# Altium PCB Copy of Testboard.PcbDoc (part 2 of 2)
Units mil, origin at the board's own origin, x right, y up, seen from the top; angles counter-clockwise.
Board outline 5500 x 5000 mil, 4 copper layers (Top layer, Inner Layer 1, Inner Layer 2, Bottom Layer), stack 13.956 mil thick; 137 components, 95 nets, 1379 pads, 400 vias.
Unrouted connection lines stored in the file: 562.
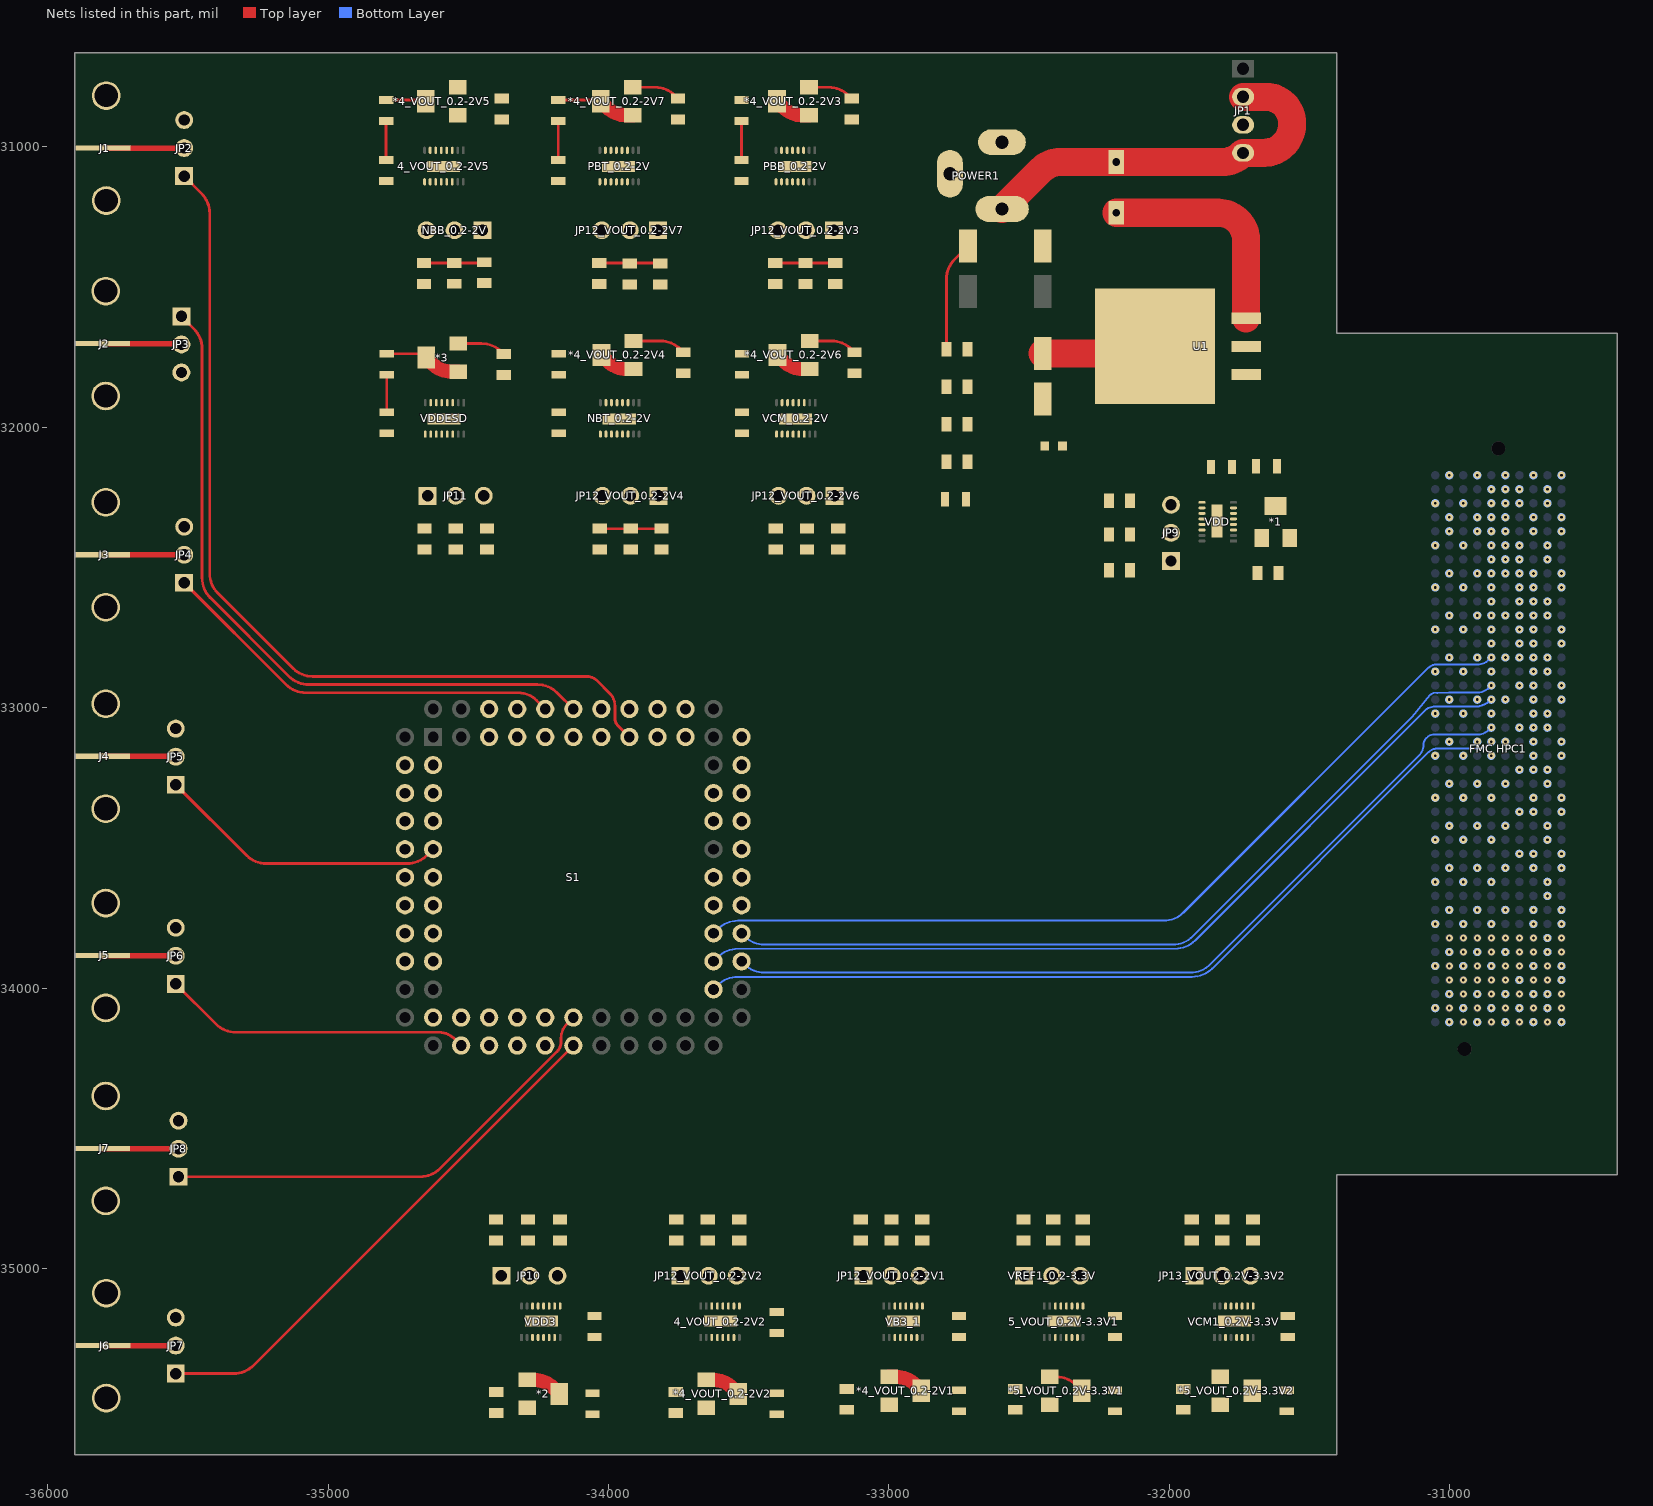
[diagram p2: the nets of this part, all layers, seen from the top]

## Part data
4_VOUT_0.2-2V2 4_VOUT_0.2-2V5 5_VOUT_0.2V-3.3V1 NBT_0.2-2V PBB_0.2-2V PBT_0.2-2V VB3_1 VCM1_0.2V-3.3V VCM_0.2-2V VDD VDD3 VDDESD: library part LT3022, "Linear Voltage Regulator IC Positive Adjustable 1 Output 1A 16-DFN (5x3)"
C1 C2 C45: library part CAP-10uF, "CAP ALUM 100UF 20% 10V SMD", ESR (Equivalent Series Resistance)=-, Lifetime @ Temp.="1000 Hrs @ 85°C", Manufacturer="Panasonic Electronic Components", Manufacturer Part Number=EEE-1AA101WR, Operating Temperature="-40°C ~ 85°C", Package / Case="Radial, Can - SMD", Ratings=AEC-Q200, Supplier Part Number 1=PCE3867CT-ND, Tolerance=±20%, Applications=Automotive, Category=Capacitors, ComponentLink1Description=https://industrial.panasonic.com/cdbs/www-data/pdf/RDE0000/ABA0000C1145.pdf, ComponentLink1URL=https://industrial.panasonic.com/cdbs/www-data/pdf/RDE0000/ABA0000C1145.pdf, Height - Seated (Max)="0.213\" (5.40mm)", Lead Spacing=-, Mounting Type="Surface Mount", Packaging="Cut Tape (CT)", Part Status=Active, Polarization=Polar, Pricing 1="1=0.31, 10=0.212, 100=0.1272, 500=0.09538 (USD)", RoHS="RoHS Compliant", Size / Dimension="0.197\" Dia (5.00mm)", Stock 1=89696, Supplier 1=Digi-Key, Surface Mount Land Size="0.209\" L x 0.209\" W (5.30mm x 5.30mm)"
C3 C6 C9 C12 C15 C18 C21 C24 C27 C30 C33 C36: library part "Cap 0.1uF", "Cap 0.1uF", Capacitance=10nF, Case Code (Imperial)=0805, Case Code (Metric)=2012, Dielectric Material=Ceramic, Manufacturer="Taiyo Yuden", Manufacturer Part Number=UMK212SD103KD-T, Max Operating Temperature=125°C, Min Operating Temperature=-55°C, Package Quantity=1, Supplier Part Number 1=587-1114-1-ND, Tolerance=10%, Voltage Rating=50V, Case/Package=0805, ComponentLink1Description=https://datasheet.ciiva.com/138/umk212sd103kd-t-ss-138661.pdf, ComponentLink1URL=https://datasheet.ciiva.com/138/umk212sd103kd-t-ss-138661.pdf, ComponentLink2Description=https://datasheet.ciiva.com/138/mlcc07-e-138662.pdf, ComponentLink2URL=https://datasheet.ciiva.com/138/mlcc07-e-138662.pdf, ComponentLink3Description=https://datasheet.ciiva.com/138/mlcc07-e-138663.pdf, ComponentLink3URL=https://datasheet.ciiva.com/138/mlcc07-e-138663.pdf, ComponentLink4Description=https://datasheet.ciiva.com/30140/303umk212sd103kd-t-30140925.pdf, ComponentLink4URL=https://datasheet.ciiva.com/30140/303umk212sd103kd-t-30140925.pdf, Depth=1.25mm, Halogen Free="Halogen Free", Height=0.85mm, Lead Free="Lead Free", Length=2mm, Mount="Surface Mount", Number of Pins=2, Packaging="Tape and Reel", Pricing 1="1=0.47, 10=0.323, 100=0.1941, 500=0.1455, 1000=0.1229 (USD)", Radiation Hardening=No, Stock 1=14125, Supplier 1=Digi-Key, Termination=SMD/SMT, Thickness=0.037inch, Voltage Rating (DC)=50V, Width=0.049inch
C4 C7 C10 C13 C16 C19 C22 C25 C28 C31 C34 C37: library part "Cap 1uF", "Cap 1uF", Capacitance=10nF, Case Code (Imperial)=0805, Case Code (Metric)=2012, Dielectric Material=Ceramic, Manufacturer="Taiyo Yuden", Manufacturer Part Number=UMK212SD103KD-T, Max Operating Temperature=125°C, Min Operating Temperature=-55°C, Package Quantity=1, Supplier Part Number 1=587-1114-1-ND, Tolerance=10%, Voltage Rating=50V, Case/Package=0805, ComponentLink1Description=https://datasheet.ciiva.com/138/umk212sd103kd-t-ss-138661.pdf, ComponentLink1URL=https://datasheet.ciiva.com/138/umk212sd103kd-t-ss-138661.pdf, ComponentLink2Description=https://datasheet.ciiva.com/138/mlcc07-e-138662.pdf, ComponentLink2URL=https://datasheet.ciiva.com/138/mlcc07-e-138662.pdf, ComponentLink3Description=https://datasheet.ciiva.com/138/mlcc07-e-138663.pdf, ComponentLink3URL=https://datasheet.ciiva.com/138/mlcc07-e-138663.pdf, ComponentLink4Description=https://datasheet.ciiva.com/30140/303umk212sd103kd-t-30140925.pdf, ComponentLink4URL=https://datasheet.ciiva.com/30140/303umk212sd103kd-t-30140925.pdf, Depth=1.25mm, Halogen Free="Halogen Free", Height=0.85mm, Lead Free="Lead Free", Length=2mm, Mount="Surface Mount", Number of Pins=2, Packaging="Tape and Reel", Pricing 1="1=0.47, 10=0.323, 100=0.1941, 500=0.1455, 1000=0.1229 (USD)", Radiation Hardening=No, Stock 1=14125, Supplier 1=Digi-Key, Termination=SMD/SMT, Thickness=0.037inch, Voltage Rating (DC)=50V, Width=0.049inch
C5 C8 C11 C14 C17 C20 C23 C26 C29 C32 C35 C38: library part "Cap 100pF", "Cap 100pF", Capacitance=10nF, Case Code (Imperial)=0805, Case Code (Metric)=2012, Dielectric Material=Ceramic, Manufacturer="Taiyo Yuden", Manufacturer Part Number=UMK212SD103KD-T, Max Operating Temperature=125°C, Min Operating Temperature=-55°C, Package Quantity=1, Supplier Part Number 1=587-1114-1-ND, Tolerance=10%, Voltage Rating=50V, Case/Package=0805, ComponentLink1Description=https://datasheet.ciiva.com/138/umk212sd103kd-t-ss-138661.pdf, ComponentLink1URL=https://datasheet.ciiva.com/138/umk212sd103kd-t-ss-138661.pdf, ComponentLink2Description=https://datasheet.ciiva.com/138/mlcc07-e-138662.pdf, ComponentLink2URL=https://datasheet.ciiva.com/138/mlcc07-e-138662.pdf, ComponentLink3Description=https://datasheet.ciiva.com/138/mlcc07-e-138663.pdf, ComponentLink3URL=https://datasheet.ciiva.com/138/mlcc07-e-138663.pdf, ComponentLink4Description=https://datasheet.ciiva.com/30140/303umk212sd103kd-t-30140925.pdf, ComponentLink4URL=https://datasheet.ciiva.com/30140/303umk212sd103kd-t-30140925.pdf, Depth=1.25mm, Halogen Free="Halogen Free", Height=0.85mm, Lead Free="Lead Free", Length=2mm, Mount="Surface Mount", Number of Pins=2, Packaging="Tape and Reel", Pricing 1="1=0.47, 10=0.323, 100=0.1941, 500=0.1455, 1000=0.1229 (USD)", Radiation Hardening=No, Stock 1=14125, Supplier 1=Digi-Key, Termination=SMD/SMT, Thickness=0.037inch, Voltage Rating (DC)=50V, Width=0.049inch
C39 C40 C41 C42_VOUT_0.2-2V1 C42_VOUT_0.2-2V2 C42_VOUT_0.2-2V3 C42_VOUT_0.2-2V4 C42_VOUT_0.2-2V5 C42_VOUT_0.2-2V6 C42_VOUT_0.2-2V7 C43_VOUT_0.2V-3.3V1 C43_VOUT_0.2V-3.3V2: library part "Cap 10uF", "Cap 10uF", Capacitance=10nF, Case Code (Imperial)=0805, Case Code (Metric)=2012, Dielectric Material=Ceramic, Manufacturer="Taiyo Yuden", Manufacturer Part Number=UMK212SD103KD-T, Max Operating Temperature=125°C, Min Operating Temperature=-55°C, Package Quantity=1, Supplier Part Number 1=587-1114-1-ND, Tolerance=10%, Voltage Rating=50V, Case/Package=0805, ComponentLink1Description=https://datasheet.ciiva.com/138/umk212sd103kd-t-ss-138661.pdf, ComponentLink1URL=https://datasheet.ciiva.com/138/umk212sd103kd-t-ss-138661.pdf, ComponentLink2Description=https://datasheet.ciiva.com/138/mlcc07-e-138662.pdf, ComponentLink2URL=https://datasheet.ciiva.com/138/mlcc07-e-138662.pdf, ComponentLink3Description=https://datasheet.ciiva.com/138/mlcc07-e-138663.pdf, ComponentLink3URL=https://datasheet.ciiva.com/138/mlcc07-e-138663.pdf, ComponentLink4Description=https://datasheet.ciiva.com/30140/303umk212sd103kd-t-30140925.pdf, ComponentLink4URL=https://datasheet.ciiva.com/30140/303umk212sd103kd-t-30140925.pdf, Depth=1.25mm, Halogen Free="Halogen Free", Height=0.85mm, Lead Free="Lead Free", Length=2mm, Mount="Surface Mount", Number of Pins=2, Packaging="Tape and Reel", Pricing 1="1=0.47, 10=0.323, 100=0.1941, 500=0.1455, 1000=0.1229 (USD)", Radiation Hardening=No, Stock 1=14125, Supplier 1=Digi-Key, Termination=SMD/SMT, Thickness=0.037inch, Voltage Rating (DC)=50V, Width=0.049inch
C44 C46 C47 C48: library part UMK212SD103KD-T, "CAP 10nF 50V RF", Capacitance=10nF, Case Code (Imperial)=0805, Case Code (Metric)=2012, Dielectric Material=Ceramic, Manufacturer="Taiyo Yuden", Max Operating Temperature=125°C, Min Operating Temperature=-55°C, Package Quantity=1, Supplier Part Number 1=587-1114-1-ND, Tolerance=10%, Voltage Rating=50V, Case/Package=0805, ComponentLink1Description=https://datasheet.ciiva.com/138/umk212sd103kd-t-ss-138661.pdf, ComponentLink1URL=https://datasheet.ciiva.com/138/umk212sd103kd-t-ss-138661.pdf, ComponentLink2Description=https://datasheet.ciiva.com/138/mlcc07-e-138662.pdf, ComponentLink2URL=https://datasheet.ciiva.com/138/mlcc07-e-138662.pdf, ComponentLink3Description=https://datasheet.ciiva.com/138/mlcc07-e-138663.pdf, ComponentLink3URL=https://datasheet.ciiva.com/138/mlcc07-e-138663.pdf, ComponentLink4Description=https://datasheet.ciiva.com/30140/303umk212sd103kd-t-30140925.pdf, ComponentLink4URL=https://datasheet.ciiva.com/30140/303umk212sd103kd-t-30140925.pdf, Depth=1.25mm, Halogen Free="Halogen Free", Height=0.85mm, Lead Free="Lead Free", Length=2mm, Manufacturer Part Number=UMK212SD103KD-T, Mount="Surface Mount", Number of Pins=2, Packaging="Tape and Reel", Pricing 1="1=0.47, 10=0.323, 100=0.1941, 500=0.1455, 1000=0.1229 (USD)", Radiation Hardening=No, Stock 1=14125, Supplier 1=Digi-Key, Termination=SMD/SMT, Thickness=0.037inch, Voltage Rating (DC)=50V, Width=0.049inch
D1: library part "LG L29K-G2J1-24-Z", "LED GREEN DIFFUSED 0603 SMD", Current - Test=2mA, Lens Color=White, Manufacturer="OSRAM Opto Semiconductors Inc.", Millicandela Rating=3.92mcd, Package / Case="0603 (1608 Metric)", Supplier Device Package=0603, Supplier Part Number 1=475-2709-1-ND, Voltage - Forward (Vf) (Typ)=1.7V, Category=Optoelectronics, Color=Green, ComponentLink1Description=http://www.osram-os.com/Graphics/XPic0/00167682_0.pdf, ComponentLink1URL=http://www.osram-os.com/Graphics/XPic0/00167682_0.pdf, Features=-, Height (Max)=0.65mm, Lens Style/Size="Rectangle with Flat Top, 1.30mm x 0.80mm", Lens Transparency=Diffused, Manufacturer Part Number="LG L29K-G2J1-24-Z", Mounting Type="Surface Mount", Packaging="Cut Tape (CT)", Part Status=Active, Pricing 1="1=0.47, 10=0.339, 25=0.2768, 100=0.2215, 250=0.18688, 500=0.15918, 1000=0.12458, 2500=0.1142 (USD)", RoHS="RoHS Compliant", Size / Dimension="1.70mm L x 0.80mm W", Stock 1=0, Supplier 1=Digi-Key, Viewing Angle=160°, Wavelength - Dominant=570nm, Wavelength - Peak=572nm
J1 J2 J3 J4 J5 J6 J7: "SMA Right Angle Jack, Edge Mount Screw On, Heavy Duty, Up to 18 GHz, -65 to 165 degC", PartNumber=32K243-40ML5, ComponentLink1Description="Manufacturer URL", ComponentLink1URL=http://www.rosenberger.de, ComponentLink2Description=Datasheet, ComponentLink2URL=http://rosenberger.de/ok/images/documents/db/32K243-40ML5.pdf, ComponentLink3Description="Package Specification", ComponentLink3URL=http://rosenberger.de/ok/images/documents/db/32K243-40ML5.pdf, ComponentLink4Description="Series Overview / Design Note", ComponentLink4URL=http://rosenberger.de/ok/images/documents/spez/32.pdf, ComponentLink5Description="Webshop / RFQ", ComponentLink5URL=http://www.rosenberger.com/en/contact/sales/, DatasheetVersion=c00, Design Note="Footprint in library is a generic example - only application specific footprint delivers High Performance", Mounting Technology="Surface Mount", PackageDescription="SMA Right Angle Jack, Edge Mount Screw On, 14.50 x 14.00 x 5.15 mm", PackageReference=32K243-40ML5, PackageVersion=c00
JP1: library part 68000-204HLF, "B.II CONN HEADER 4POS .100 STR 15AU", Colour=Black, Current Rating=3A, Flammability Rating="UL94 V-0", Insulation Resistance=5GR, Manufacturer="Amphenol FCI", Max Operating Temperature=125°C, Max Voltage Rating (AC)=1.5kV, Min Operating Temperature=-65°C, Package Quantity=100, Supplier Part Number 1=609-3255-ND, ComponentLink1Description=https://datasheet.ciiva.com/728/68000-728901.pdf, ComponentLink1URL=https://datasheet.ciiva.com/728/68000-728901.pdf, ComponentLink2Description=https://datasheet.ciiva.com/22873/70302489-22873093.pdf, ComponentLink2URL=https://datasheet.ciiva.com/22873/70302489-22873093.pdf, ComponentLink3Description=https://datasheet.ciiva.com/10149/68000-10149835.pdf, ComponentLink3URL=https://datasheet.ciiva.com/10149/68000-10149835.pdf, ComponentLink4Description=https://datasheet.ciiva.com/5149/68000-274280-5149869.pdf, ComponentLink4URL=https://datasheet.ciiva.com/5149/68000-274280-5149869.pdf, ComponentLink5Description=https://datasheet.ciiva.com/46395/1914865-46395853.pdf, ComponentLink5URL=https://datasheet.ciiva.com/46395/1914865-46395853.pdf, Connector Type="Male Pin", Contact Gender=Male, Contact Material=Bronze, Contact Mating Length=0.23inch, Contact Plating=Nickel,Gold,GXT, Depth=2.41mm, Gender=Male, Housing Colour=Black, Housing Material=Thermoplastic, Length=10.16mm, Manufacturer Part Number=68000-204HLF, Mating Post Length=5.84mm, Mount="Through Hole", Number of Contacts=4, Number of Positions=4, Number of Rows=1, Orientation=Straight, Packaging=Bulk, Pitch=2.54mm, Pricing 1="1=0.31, 10=0.293, 100=0.2048, 500=0.1756, 1000=0.1463, 5000=0.1254, 10000=0.117 (USD)", Radiation Hardening=No, Stock 1=4921, Supplier 1=Digi-Key, Termination=Solder, Termination Post Length=2.41mm, Voltage Rating=1.5kV
JP2 JP3 JP4 JP5 JP6 JP7 JP8 JP9 JP10 JP11 JP12_VOUT_0.2-2V1 JP12_VOUT_0.2-2V2 JP12_VOUT_0.2-2V3 JP12_VOUT_0.2-2V4 JP12_VOUT_0.2-2V6 JP12_VOUT_0.2-2V7 JP13_VOUT_0.2V-3.3V2 NBB_0.2-2V VREF1_0.2-3.3V: library part Jumper-01x03, "01X03 generic terminal connector"
POWER1: "PJ-002AH", Colour=Black, Current Rating=5A, Flammability Rating="UL94 V-0", Insulation Resistance=50MR, Manufacturer=CUI, Max Operating Temperature=85°C, Min Operating Temperature=-25°C, Package Quantity=500, Supplier Part Number 1=CP-002AH-ND, Voltage Rating=24V, ComponentLink1Description=http://www.cui.com/Product/Resource/FuturePDF/PJ-002AH.pdf, ComponentLink1URL=http://www.cui.com/Product/Resource/FuturePDF/PJ-002AH.pdf, ComponentLink2Description=http://www.cui.com/product/resource/digikeypdf/pj-002ah.pdf, ComponentLink2URL=http://www.cui.com/product/resource/digikeypdf/pj-002ah.pdf, ComponentLink3Description=http://www.mouser.com/ds/2/670/pj-002ah-516007.pdf, ComponentLink3URL=http://www.mouser.com/ds/2/670/pj-002ah-516007.pdf, Connector Type=Jack, Contact Gender=Male, Contact Material="Copper,Copper Alloy", Contact Plating=Nickel, Diameter=2.1mm, Gender=Male, Housing Colour=Black, Housing Material=Thermoplastic, Lead Free="Lead Free", Manufacturer Part Number=PJ-002AH, Mount="Through Hole", Number of Conductors=2, Orientation=Horizontal, Packaging=Bulk, Pricing 1="1=0.74, 10=0.696, 25=0.6264, 50=0.5568, 100=0.5336, 250=0.4872, 500=0.464, 1000=0.3828, 2500=0.348 (USD)", Shielding=Unshielded, Stock 1=95768, Supplier 1=Digi-Key, Termination="Through Hole"
R1 R2 R3 R4 R5 R6 R7_VOUT_0.2-2V1 R7_VOUT_0.2-2V2 R7_VOUT_0.2-2V3 R7_VOUT_0.2-2V4 R7_VOUT_0.2-2V5 R7_VOUT_0.2-2V6 R7_VOUT_0.2-2V7 R8_VOUT_0.2-2V1 R8_VOUT_0.2-2V2 R8_VOUT_0.2-2V3 R8_VOUT_0.2-2V4 R8_VOUT_0.2-2V5 R8_VOUT_0.2-2V6 R8_VOUT_0.2-2V7 R9_VOUT_0.2V-3.3V1 R9_VOUT_0.2V-3.3V2 R10_VOUT_0.2V-3.3V1 R10_VOUT_0.2V-3.3V2: library part "Res 100"
R11: library part RES
S1: library part 940-44-020-24-000000, Case/Package=PLCC, Manufacturer=Mill-Max, Max Operating Temperature=120°C, Min Operating Temperature=-40°C, Package Quantity=38, Supplier Part Number 1=ED90005-ND, Body Material=PPS, Category="IC and Component Sockets", ComponentLink1Description=https://datasheet.ciiva.com/3963/940-44-020-24-000000-3963718.pdf?src-supplier=Arrow+Electronics, ComponentLink1URL=https://datasheet.ciiva.com/3963/940-44-020-24-000000-3963718.pdf?src-supplier=Arrow+Electronics, ComponentLink2Description=https://datasheet.ciiva.com/16425/9404402024000000-16425193.pdf?src-supplier=Future+Electronics, ComponentLink2URL=https://datasheet.ciiva.com/16425/9404402024000000-16425193.pdf?src-supplier=Future+Electronics, Contact Material=Copper, Contact Plating=Tin, Contact Type="Type D", Depth=15.57mm, Housing Material=Polyphenylene, Insulation Material=Polyphenylene, Lead Free="Lead Free", Length=15.57mm, Manufacturer Part Number=940-44-020-24-000000, Mount="Through Hole", Number of Contacts=20, Number of Pins=20, Number of Positions=20, Number of Rows=4, Orientation=Straight, Packaging=Rail/Tube, Pitch=0.1inch, Pricing 1="1=1.60000, 10=1.44800, 25=1.35920, 50=1.30020, 100=1.24110, 250=1.12292, 500=1.03426, 1000=0.88650, 2500=0.82740 (USD)", RoHS=Yes, RoHS Compliant=Yes, Series=940, Stock 1=458, Supplier 1=Digi-Key, Termination=Solder, Width=15.57mm
Switch1: "L101011MS02Q", Contact Current Rating=2A, Current Rating=4A, Manufacturer="ITT C&K", Max Operating Temperature=65°C, Max Voltage Rating (AC)=250V, Max Voltage Rating (DC)=125V, Min Operating Temperature=-30°C, Package Quantity=1, Supplier Part Number 1=CKC5106-ND, Voltage Rating (DC)=28V, Actuator Length=5.08mm, Actuator Material=Nylon,Polyamide, ComponentLink1Description=https://datasheet.ciiva.com/17406/l-10jun14-17406600.pdf, ComponentLink1URL=https://datasheet.ciiva.com/17406/l-10jun14-17406600.pdf, ComponentLink2Description=https://datasheet.ciiva.com/18147/getdatasheetpartid-301248-18147196.pdf, ComponentLink2URL=https://datasheet.ciiva.com/18147/getdatasheetpartid-301248-18147196.pdf, ComponentLink3Description=https://datasheet.ciiva.com/2889/l-10jun14-2889869.pdf, ComponentLink3URL=https://datasheet.ciiva.com/2889/l-10jun14-2889869.pdf, Contact Material=Copper, Contact Plating=Silver, Depth=10.8mm, Electrical Life=10000Cycles, Housing Material=Nylon, Lead Free="Lead Free", Length=19.1mm, Manufacturer Part Number=L101011MS02Q, Max Current Rating=4A, Mount="Through Hole", Orientation=Straight, Packaging=Bulk, Pricing 1="1=1.65, 10=1.584, 25=1.5504, 50=1.3482, 100=1.3145, 250=1.2808, 500=1.0786, 1000=1.0112, 5000=0.9269 (USD)", Radiation Hardening=No, Stock 1=8267, Supplier 1=Digi-Key, Switch Function=On-Off, Switch Travel=3.81mm, Termination="PC Pins", Throw Configuration=SPST, Voltage Rating (AC)=125V
U1: library part LM1085-IS-5.0/NOP, "No Description Available", Manufacturer_Part_Number=LM1085IS-5.0/NOPB, Supplier Part Number 1=LM1085IS-5.0/NOPB-ND, Built_By=EMA_UL_Team, Copyright="Copyright (C) 2018 Accelerated Designs. All rights reserved", RefDes=RefDes, SourceLibrary=National_2011-09-26, Supplier 1=Digi-Key, Type=DEV, Vendor="Texas Instruments"

## Via types
v1: diameter 25, hole 10, Top layer to Bottom Layer, 399 vias
v2: diameter 25, hole 10, Top layer to Bottom Layer, tented both sides, 1 vias

## Nets (pads, with @x,y where several pads share a name; then routed paths per layer and width w, separated by ;. In a path a pad name is that pad's centre, name@x,y a point inside that pad or via, vN(x,y) a via of type N, cw(c..) or ccw(c..) an arc to the next point about the centre after c; other vN are vias at no path point)
0.5V-2V: C27.2 C28.1 C29.2 JP9.2 S1.29 S1.59
1-3V: C36.2 C37.1 C38.2 JP11.2 S1.32 S1.62
2V-5V: C24.2 C25.1 C26.2 JP10.2 S1.65
12-5V_regulator: 4_VOUT_0.2-2V2.9 4_VOUT_0.2-2V2.12 4_VOUT_0.2-2V2.13 4_VOUT_0.2-2V2.14 4_VOUT_0.2-2V5.9 4_VOUT_0.2-2V5.12 4_VOUT_0.2-2V5.13 4_VOUT_0.2-2V5.14 5_VOUT_0.2V-3.3V1.9 5_VOUT_0.2V-3.3V1.12 5_VOUT_0.2V-3.3V1.13 5_VOUT_0.2V-3.3V1.14 C45.1 C46.1 C47.1 C48.1 NBT_0.2-2V.9 NBT_0.2-2V.12 NBT_0.2-2V.13 NBT_0.2-2V.14 PBB_0.2-2V.9 PBB_0.2-2V.12 PBB_0.2-2V.13 PBB_0.2-2V.14 PBT_0.2-2V.9 PBT_0.2-2V.12 PBT_0.2-2V.13 PBT_0.2-2V.14 R11.2 U1.2 U1.4 VB3_1.9 VB3_1.12 VB3_1.13 VB3_1.14 VCM1_0.2V-3.3V.9 VCM1_0.2V-3.3V.12 VCM1_0.2V-3.3V.13 VCM1_0.2V-3.3V.14 VCM_0.2-2V.9 VCM_0.2-2V.12 VCM_0.2-2V.13 VCM_0.2-2V.14 VDD3.9 VDD3.12 VDD3.13 VDD3.14 VDD.9 VDD.12 VDD.13 VDD.14 VDDESD.9 VDDESD.12 VDDESD.13 VDDESD.14 | length 414.8
  Top layer w100: C45.1@-32452,-31738 -32078,-31738 ccw(c-32078,-31712) U1.4@-32052,-31712
12V: C1.1 C2.1 C44.1 Switch1.2 U1.3 | length 1209.9
  Top layer w10: C44.1@-32795.09,-31722 -32795.09,-31472.45 cw(c-32695.09,-31472.45) -32765.8,-31401.73 C1.1@-32718.35,-31354.29 ; Switch1.2@-32189,-31253.58 Switch1.2@-32189,-31235.48
  Top layer w100: Switch1.2@-32189,-31235.48 -31826,-31235.48 cw(c-31826,-31335.48) -31726,-31335.48 U1.3@-31726,-31612
ADC_CLK: "FMC HPC1.F4" S1.27
  other v1: -30852,-32321.51
ADC_CLK_SAMPLE: "FMC HPC1.F5" S1.26
  other v1: -30852,-32371.51
ADC_DOUT1: "FMC HPC1.F20" S1.15 | length 3136.8
  Bottom Layer w7: S1.15@-33625.44,-34005 -33609.73,-33989.29 cw(c-33539.02,-34060) -33539.02,-33960 -31918.42,-33960 ccw(c-31918.42,-33860) -31847.71,-33930.71 -31074.95,-33157.95 cw(c-31047.97,-33184.93) -31065.52,-33151.05 ccw(c-31068.78,-33144.85) -31065.09,-33150.8 cw(c-31052,-33171.51) -31053.95,-33147.09 ccw(c-31054.54,-33140.11) -31053.51,-33147.04 -31050.83,-33146.64 cw(c-31049.79,-33153.56) -31049.83,-33146.56 -30984.39,-33146.56 -30955.13,-33146.37 -30901.84,-33146.01 ccw(c-30901.84,-33084.84) -30858.58,-33128.1 v1(-30852,-33121.51) v1@-30862.47,-33121.51
ADC_DOUT2: "FMC HPC1.F19" S1.16 | length 3076.9
  Bottom Layer w7: S1.16@-33525.44,-33905 -33514.73,-33915.71 ccw(c-33444.02,-33845) -33444.02,-33945 -31925.42,-33945 ccw(c-31925.42,-33845) -31854.71,-33915.71 -31110.26,-33171.26 ccw(c-31149.53,-33132) -31094,-33132 cw(c-31062.86,-33132) -31084.88,-33109.98 -31082.46,-33107.56 cw(c-31054.57,-33135.46) -31054.57,-33096.01 -30902,-33096.01 ccw(c-30902,-33034.45) -30892.88,-33095.33 ccw(c-30902,-33034.45) -30867.42,-33085.38 ; -30867.42,-33085.38 ccw(c-30902,-33034.45) -30858.47,-33077.98 v1(-30852,-33071.51) -30867.42,-33085.38
ADC_DOUT3: "FMC HPC1.F17" S1.17 | length 3195.6
  Bottom Layer w7: S1.17@-33625.44,-33905 -33609.73,-33889.29 cw(c-33539.02,-33960) -33539.02,-33860 -31979.42,-33860 ccw(c-31979.42,-33760) -31908.71,-33830.71 -31087.19,-33009.19 cw(c-31057.47,-33038.91) -31057.47,-32996.88 cw(c-31057,-33040.05) -31057,-32996.88 -30944.99,-32996.25 -30911.73,-32996.25 ccw(c-30911.73,-32911.78) -30904.8,-32995.97 cw(c-30904.15,-33002.94) -30903.7,-32995.95 ccw(c-30902,-32971.51) -30892.66,-32994.16 cw(c-30889.98,-33000.63) -30891.67,-32993.84 ccw(c-30911.73,-32911.78) v1(-30852,-32971.51) cw(c-30913.53,-32909.98) -30894.98,-32995
ADC_DOUT4: "FMC HPC1.F16" S1.18 | length 3067.9